# Allegro board hdk2_0-hmd-2-pvt-l8-0526p1530.brd (continued)
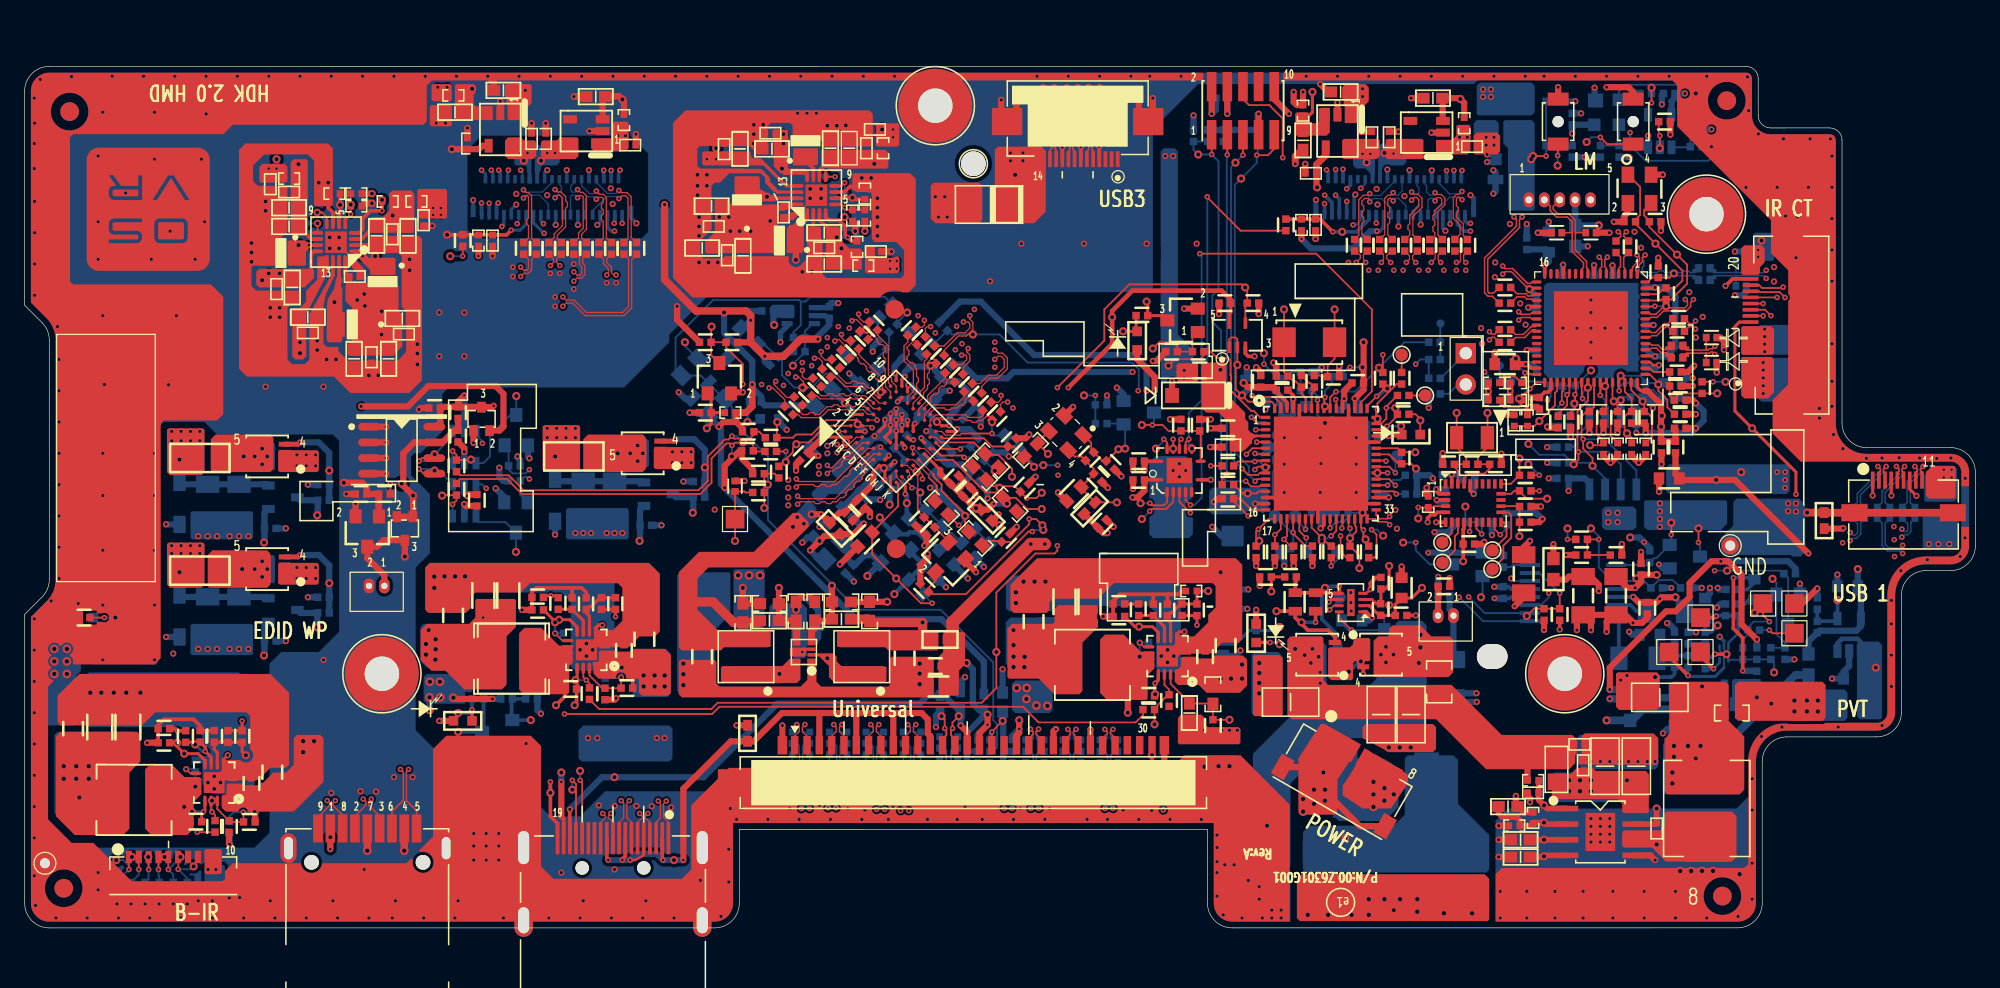
[diagram p0: board, top side]
## Copper pours and planes (outline as drawn; the poured copper is in the pictures) (continued)
2.8_V on TOP (solid shape): 141.22,55.16 141.22,54.02 140.84,53.64 140.84,53.16 140.71,53.03 139.42,53.03 139.32,53.13 139.32,55.16 139.57,55.42 140.97,55.42
2.8_V on BOTTOM (solid shape): 141.98,56.18 141.98,54.27 141.86,54.15 140.46,54.15 140.33,54.27 140.33,56.3 140.46,56.43 141.73,56.43
2.8_V on BOTTOM (solid shape): 16.25,5 16.25,3.6 16.13,3.47 14.73,3.47 14.6,3.6 14.6,5 14.73,5.12 16.13,5.12
2.8_V on L4_IN2 (solid shape): outline of 704 points within 14.22,3.47 146.05,55.99
3_3VPH on TOP (solid shape): 12.45,12.76 12.96,12.25 14.21,12.25 14.35,12.11 14.35,10.84 13.71,10.2 13.71,8.04 13.2,7.54 10.28,7.54 9.78,8.04 9.78,12.87 10.04,13.14 12.08,13.14
3_3VUNREG on TOP (solid shape): 9.39,15.66 9.39,13.51 8.51,12.62 8.51,8.04 8,7.54 4.06,7.54 2.54,9.06 2.54,15.54 2.92,15.92 9.14,15.92
3_3VUNREG on BOTTOM (solid shape): 9.01,15.66 9.01,13.89 8.63,13.51 5.84,13.51 5.71,13.38 5.71,9.19 5.33,8.81 2.92,8.81 2.41,9.31 2.41,15.66 2.66,15.92 8.76,15.92
ANA_PWR_IN on TOP (solid shape): 97.53,45.76 97.53,43.35 99.06,41.83 99.06,41.32 99.31,41.06 99.31,40.43 99.56,40.18 99.64,40.18 99.65,40.16 99.83,40.07 100.02,40.07 100.03,40.07 100.08,40.07 100.08,40.04 101.13,40.04 101.13,39.83 100.08,39.83 100.08,39.81 99.73,39.71 99.62,39.37 99.62,39.34 99.54,39.27 99.51,39.27 99.06,38.82 99.05,38.81 98.93,38.75 98.84,38.65 97.91,38.65 97.79,38.78 97.79,40.94 97.75,40.98 97.75,41.12 97.61,41.12 96.9,41.83 95.93,41.83 95.93,41.84 95.87,41.84 95.5,42.21 95.5,45.76 95.63,45.89 97.41,45.89
IOVCC_COM_L on TOP (solid shape): 44.95,64.05 44.95,62.65 44.7,62.4 42.16,62.4 41.91,62.65 41.91,63.8 42.03,63.92 43.18,63.92 43.43,64.18 44.83,64.18
IOVCC_COM_L on BOTTOM (solid shape): 43.43,63.42 43.43,62.15 43.18,61.89 42.56,61.89 42.55,61.9 42.41,61.92 42.28,61.9 42.27,61.89 42.03,61.89 41.91,61.77 41.91,61.54 41.82,61.45 41.82,61.32 41.75,61.26 41.75,60.44 41.45,60.44 41.45,61.18 41.41,61.23 41.41,61.36 41.4,61.36 41.4,63.42 41.53,63.54 43.3,63.54
IOVCC_COM_R on TOP (solid shape): 113.53,63.92 113.53,62.53 113.41,62.4 110.61,62.4 110.49,62.53 110.49,63.92 110.61,64.05 113.41,64.05
IOVCC_COM_R on BOTTOM (solid shape): 112.14,63.42 112.14,62.15 111.88,61.89 110.84,61.89 110.44,61.94 110.2,61.62 110.19,61.6 110.16,61.56 110.16,60.47 110.13,60.44 109.9,60.44 109.85,60.5 109.85,61.08 109.85,63.42 110.11,63.67 111.88,63.67
OVDD_COM_L on TOP (solid shape): 34.29,59.86 34.29,57.7 34.16,57.57 32,57.57 31.87,57.7 31.87,59.86 32,59.99 34.16,59.99
OVDD_COM_L on L6_IN3 (solid shape): outline of 861 points within 31.75,56.05 49.78,66.21
OVDD_COM_R on TOP (solid shape): 69.01,55.37 69.01,54.37 70.08,54.37 70.08,54.4 70.35,54.4 70.53,54.43 70.68,54.52 70.69,54.53 70.86,54.53 70.99,54.4 70.99,53.26 70.86,53.13 68.32,53.13 68.2,53.26 68.2,55.14 68.2,55.29 68.32,55.42 68.96,55.42
OVDD_COM_R on L6_IN3 (solid shape): outline of 1623 points within 67.94,51.22 117.22,62.4
OVSS_COM_L on TOP (solid shape): 21.33,61.77 21.33,60.62 21.21,60.5 19.17,60.5 19.05,60.62 19.05,61.77 19.3,62.02 21.08,62.02
OVSS_COM_L on L3_IN1 (solid shape): outline of 905 points within 18.79,56.3 50.42,65.32
OVSS_COM_R on TOP (solid shape): 70.99,65.19 70.99,63.54 70.86,63.42 69.21,63.42 69.08,63.54 69.08,65.19 69.21,65.32 70.86,65.32
OVSS_COM_R on L3_IN1 (solid shape): outline of 1152 points within 69.08,55.8 117.73,65.32
POWER_USB_CON on BOTTOM (solid shape): 122.55,65.32 122.55,58.34 122.42,58.21 120.52,58.21 120.39,58.34 120.39,63.29 120.01,63.67 120.01,65.45 120.14,65.58 122.3,65.58
USB3_CON1_PWR on TOP (solid shape): 156.71,37.38 156.71,34.97 156.59,34.84 154.56,34.84 154.3,35.1 154.3,37 154.81,37.51 156.59,37.51
USB3_CON1_PWR on BOTTOM (solid shape): 156.84,37.25 156.84,34.84 156.59,34.59 154.3,34.59 154.17,34.71 154.17,36.75 154.94,37.51 156.59,37.51
USB3_CON1_PWR on BOTTOM (solid shape): 143.25,37.51 143.25,35.48 143,35.22 133.47,35.22 133.22,35.48 133.22,37.38 133.47,37.64 143.13,37.64
USB3_CON1_PWR on L3_IN1 (solid shape): outline of 344 points within 141.86,33.95 156.71,37.51
VCI_COM_L on TOP (solid shape): 40.51,63.92 41.4,63.92 41.53,63.8 41.53,62.65 41.27,62.4 39.24,62.4 38.99,62.65 38.99,63.92 39.24,64.18 39.38,64.18 40.26,64.18
VCI_COM_L on BOTTOM (solid shape): 41.14,63.42 41.14,61.13 41.19,61.08 41.19,60.42 40.84,60.42 40.81,60.45 40.81,61.36 40.76,61.36 40.76,61.77 40.64,61.89 39.87,61.89 39.75,62.02 39.75,63.29 40,63.54 41.02,63.54
VCI_COM_R on TOP (solid shape): 109.98,63.92 109.98,62.65 109.72,62.4 107.06,62.4 106.93,62.53 106.93,63.92 107.06,64.05 109.85,64.05
VCI_COM_R on BOTTOM (solid shape): 109.6,63.42 109.6,61.18 109.55,61.13 109.55,60.44 109.27,60.44 109.24,60.47 109.24,61.13 109.19,61.18 109.19,61.26 108.81,61.64 108.07,61.64 107.82,61.89 107.82,63.54 107.95,63.67 109.34,63.67
N136794 on TOP (solid shape): 64.39,62.78 64.39,62.02 64.26,61.89 63.26,61.89 63.24,61.89 62.35,61.89 62.35,62.78 62.48,62.91 64.26,62.91
N136840 on TOP (solid shape): 66.19,56.77 66.19,56.09 66.29,55.98 66.29,55.8 66.93,55.16 67.81,55.16 67.94,55.03 67.94,53.51 67.87,53.43 65.1,53.43 65.02,53.51 65.02,56.81 65.15,56.94 66.02,56.94
N137150 on TOP (solid shape): 69.85,63.16 70.1,62.91 70.1,61.77 69.97,61.64 65.21,61.64 65.01,61.69 64.82,61.64 64.81,61.64 64.77,61.64 64.64,61.77 64.64,62.89 64.64,63.04 64.77,63.16 69.11,63.16
N137736 on TOP (solid shape): 105.93,64.57 105.66,64.31 103.25,64.31 103.12,64.43 103.12,66.08 103.25,66.21 104.14,66.21 104.26,66.08 104.26,65.45 104.39,65.32 104.9,65.32 105.03,65.45 105.03,66.46 105.13,66.57 105.93,66.57
N138402 on TOP (solid shape): 59.66,60.88 59.66,60 59.69,59.99 60.32,59.61 60.32,59.1 60.19,58.97 59.69,58.97 59.69,58.97 57.65,58.97 57.65,60.11 57.68,60.11 57.68,60.9 57.78,61 59.53,61
N138754 on TOP (solid shape): 63.6,58.08 63.6,57.45 63.24,57.09 63.24,55.03 62.99,54.78 61.97,54.78 61.85,54.91 61.85,56.81 62.1,57.07 62.35,57.07 63.37,58.08 63.6,58.08
N138940 on TOP (solid shape): 23.09,55.51 23.14,55.51 23.24,55.42 23.24,55.29 22.86,54.91 22.86,54.85 22.83,54.82 22.83,53.77 21.99,53.77 21.99,53.76 21.46,53.76 21.33,53.89 21.33,55.7 21.43,55.8 22.8,55.8
N138968 on TOP (solid shape): 31.62,59.61 31.62,56.56 31.49,56.43 28.06,56.43 27.94,56.56 27.94,57.45 28.19,57.7 29.08,57.7 29.59,58.21 29.59,59.61 29.84,59.86 31.37,59.86
N139110 on TOP (solid shape): 22.98,62.27 22.98,56.3 22.86,56.18 21.71,56.18 21.59,56.3 21.59,62.15 21.84,62.4 22.86,62.4
N139598 on TOP (solid shape): 36.57,68.37 36.57,67.73 36.45,67.61 36.45,66.85 36.6,66.69 37.97,66.69 37.97,65.58 35.05,65.58 34.92,65.7 34.92,68.37 35.05,68.5 36.45,68.5
N140276 on TOP (solid shape): 25.78,51.99 25.78,47.67 25.65,47.54 24.63,47.54 24.51,47.67 24.51,48.87 24.52,48.87 24.52,50.27 24.51,50.29 24.51,50.3 24.53,50.36 24.51,50.46 24.63,51.09 25.27,52.11 25.65,52.11
N140628 on TOP (solid shape): 27.94,54.4 29.97,54.4 30.1,54.27 30.1,53.05 30.04,53 28.17,53 28.04,53.13 28.04,53.41 26.67,54.78 26.67,55.01 26.67,55.01 27.32,55.01
N16833899 on BOTTOM (solid shape): 150.75,22.96 150.75,17.06 150.62,16.93 148.97,16.93 148.71,17.19 148.71,23.03 148.92,23.24 150.47,23.24
N16953061 on BOTTOM (solid shape): 62.48,50.46 62.48,49.57 62.43,49.52 60.7,49.52 60.58,49.65 60.58,50.46 60.7,50.59 62.35,50.59
N17108159 on TOP (solid shape): 19.94,30.4 19.94,27.86 19.68,27.6 14.98,27.6 14.86,27.73 14.86,30.27 15.24,30.65 19.68,30.65
N17108159 on BOTTOM (solid shape): 20.32,30.14 20.32,28.11 20.19,27.98 17.4,27.98 17.27,28.11 17.27,30.14 17.4,30.27 20.19,30.27
N17109419 on TOP (solid shape): 20.19,39.79 20.19,37.25 19.94,37 15.24,37 15.11,37.13 15.11,39.67 15.49,40.05 19.94,40.05
N17109419 on BOTTOM (solid shape): 20.32,39.29 20.32,37.25 20.19,37.13 17.52,37.13 17.4,37.25 17.4,39.29 17.52,39.41 20.19,39.41
N17110016 on TOP (solid shape): 50.42,39.79 50.42,37.25 50.16,37 45.46,37 45.34,37.13 45.34,39.67 45.72,40.05 50.16,40.05
N17110016 on BOTTOM (solid shape): 50.67,39.54 50.67,37.51 50.54,37.38 47.88,37.38 47.75,37.51 47.75,39.54 47.88,39.67 50.54,39.67
N17152292 on TOP (solid shape): 127.5,12.74 131.57,12.74 131.82,12.49 131.82,9.44 131.7,9.31 129.79,9.31 129.66,9.44 129.66,10.08 129.28,10.46 124.2,10.46 123.95,10.71 123.95,12.36 124.08,12.49 125.47,12.49 125.98,13 127.25,13
N17152292 on BOTTOM (solid shape): 131.82,12.36 131.82,10.46 131.57,10.2 124.2,10.2 123.95,10.46 123.95,12.36 124.2,12.62 131.57,12.62
N17152358 on TOP (solid shape): 138.93,9.06 138.93,5.76 138.55,5.38 133.22,5.38 132.08,6.52 129.79,6.52 129.66,6.65 129.66,7.79 129.79,7.92 132.84,7.92 133.09,8.17 133.09,9.31 133.22,9.44 138.55,9.44
N17152389 on TOP (solid shape): 138.3,19.73 138.3,16.81 139.57,15.54 139.57,11.22 139.19,10.84 133.35,10.84 133.09,11.09 133.09,15.4 133.12,15.42 133.26,15.51 133.35,15.66 133.35,15.67 133.47,15.79 133.47,19.73 133.73,19.98 138.05,19.98
N17152389 on BOTTOM (solid shape): 137.41,14.52 139.06,14.52 139.44,14.14 139.44,11.09 139.19,10.84 133.09,10.84 132.97,10.97 132.97,14.9 133.23,15.16 136.77,15.16
N17194923 on TOP (solid shape): 64.16,22.5 63.47,22.5 63.37,22.4 63.37,22.04 62.2,22.04 62.1,22.14 62.1,22.65 62.2,22.75 64.16,22.75
N17194923 on BOTTOM (solid shape): 63.5,25.95 63.5,22.14 63.24,21.89 62.48,21.89 62.23,22.14 62.23,24.17 62.1,24.3 60.7,24.3 60.45,24.55 60.45,26.08 60.7,26.33 63.12,26.33
N17195011 on TOP (solid shape): 63.05,24.38 62.95,24.28 62.95,22.94 62.34,22.94 62.34,24.18 62.16,24.35 62.16,25.43 63.05,25.43
N17195046 on TOP (solid shape): 62.96,21.84 62.96,20.16 62.67,19.87 61.48,19.87 61.46,19.86 56.64,19.86 56.51,19.98 56.51,21.13 56.64,21.25 61.49,21.25 62.1,21.86 62.94,21.86
N17195147 on TOP (solid shape): 65.91,22.01 65.91,21.63 66.29,21.25 69.72,21.25 69.85,21.13 69.85,19.98 69.72,19.86 65.78,19.86 65.27,20.36 65.27,21.25 64.51,22.01 64.51,22.04 63.55,22.04 63.55,22.27 63.57,22.29 65.63,22.29
N17195179 on TOP (solid shape): 64.58,24.41 64.15,23.98 64.15,22.94 63.54,22.94 63.54,24.22 63.69,24.37 63.69,25.43 64.58,25.43
DGND on TOP (solid shape): 7.13,59.78 7.17,59.89 7.29,59.94 9.23,59.94 9.23,59.39 7.27,59.39 7.17,59.44 7.13,59.54
DGND on TOP (solid shape): 10.83,57.14 10.88,57.25 10.99,57.29 12.78,57.29 12.89,57.24 12.93,57.14 12.93,56.03 12.89,55.93 12.78,55.89 10.97,55.89 10.87,55.93 10.83,56.04

Small or netless copper shapes (teardrops, artwork), in the pictures only: 100 on TOP

## Text on the board
Ref Des/Silkscreen Bottom: L | R
User.Comments: DISPLAY | USB | HDMI | POWER | OBLONG 35X83 | OBLONG 35X106 | OBLONG 28X71
Ref Des/Silkscreen Top: 1 | Rev:A | e1 | P/N:00.Z6301G001 | B-IR | EDID WP | Universal | 8 | GND | PVT | USB3 | LM | IR CT | USB 1 | HDK 2.0 HMD | POWER
DISPLAY_TOP: ICT_TOP
DISPLAY_BOTTOM: ICT_BOTTOM
DEVICE_TYPE_TOP: 44.49 | 19.39 | 140.70 | 2.94 | 7.90 | 49.31 | 149.36 | 147.37 | 120.37 | 91.36 | 66.79 | 8.00 | 63.70 | R1.00*2\P{\A0;(Positioning Hole)} | 44.70 | dia 2.00\P{\A0;(Positioning Hole)} | 0.50 | 21.35 | 24.37 | 4.20 | dia 6.00*4 | %%C2,80*4 | 0.00 | 8.34 | 6.80 | 9.29 | 11.62 | 5.00 | 12.00 | 17.62 | 30.95 | 33.58 | 54.43 | 69.93 | 47.90 | 52.90 | 49.30
USER_PART_NUM_BOTTOM: 12.04 | 92.20 | 23.80 | 0.00
User.14: FIGURE | SIZE | 8.0 | 10.0 | 12.0 | 14.0 | 20.0 | 22.0 | 32.0 | 39.0 | 110.0 | 36.0 | 43.0 | 47.0 | 79.0 | 98.0x79.0 | DRILL CHART: TOP to BOTTOM | ALL UNITS ARE IN MILS | TOLERANCE | +2.0/-2.0 | +0.0/-0.0 | +3.0/-3.0 | PLATED | NON-PLATED | QTY | 547 | 846 | 84 | 32 | 131 | 4 | 5 | 2 | 1
User.15: VCC_1V8 | VCC_1V2 | VCC_5V
